# Altium PCB roach2.PcbDoc (part 25 of 39)
Units mil, origin at the board's own origin, x right, y up, seen from the top; angles counter-clockwise.
Board outline 12007.87 x 9606.3 mil, 16 copper layers (L1_TOP, L2_G, L3_S, L4_G, L5_S, L6_P, L7_G, L8_R, L9_R, L10_P, L11_P, L12_S, L13_P, L14_S, L15_G, L16_BOT), stack 81.651 mil thick; 1568 components, 1918 nets, 9251 pads, 6741 vias.
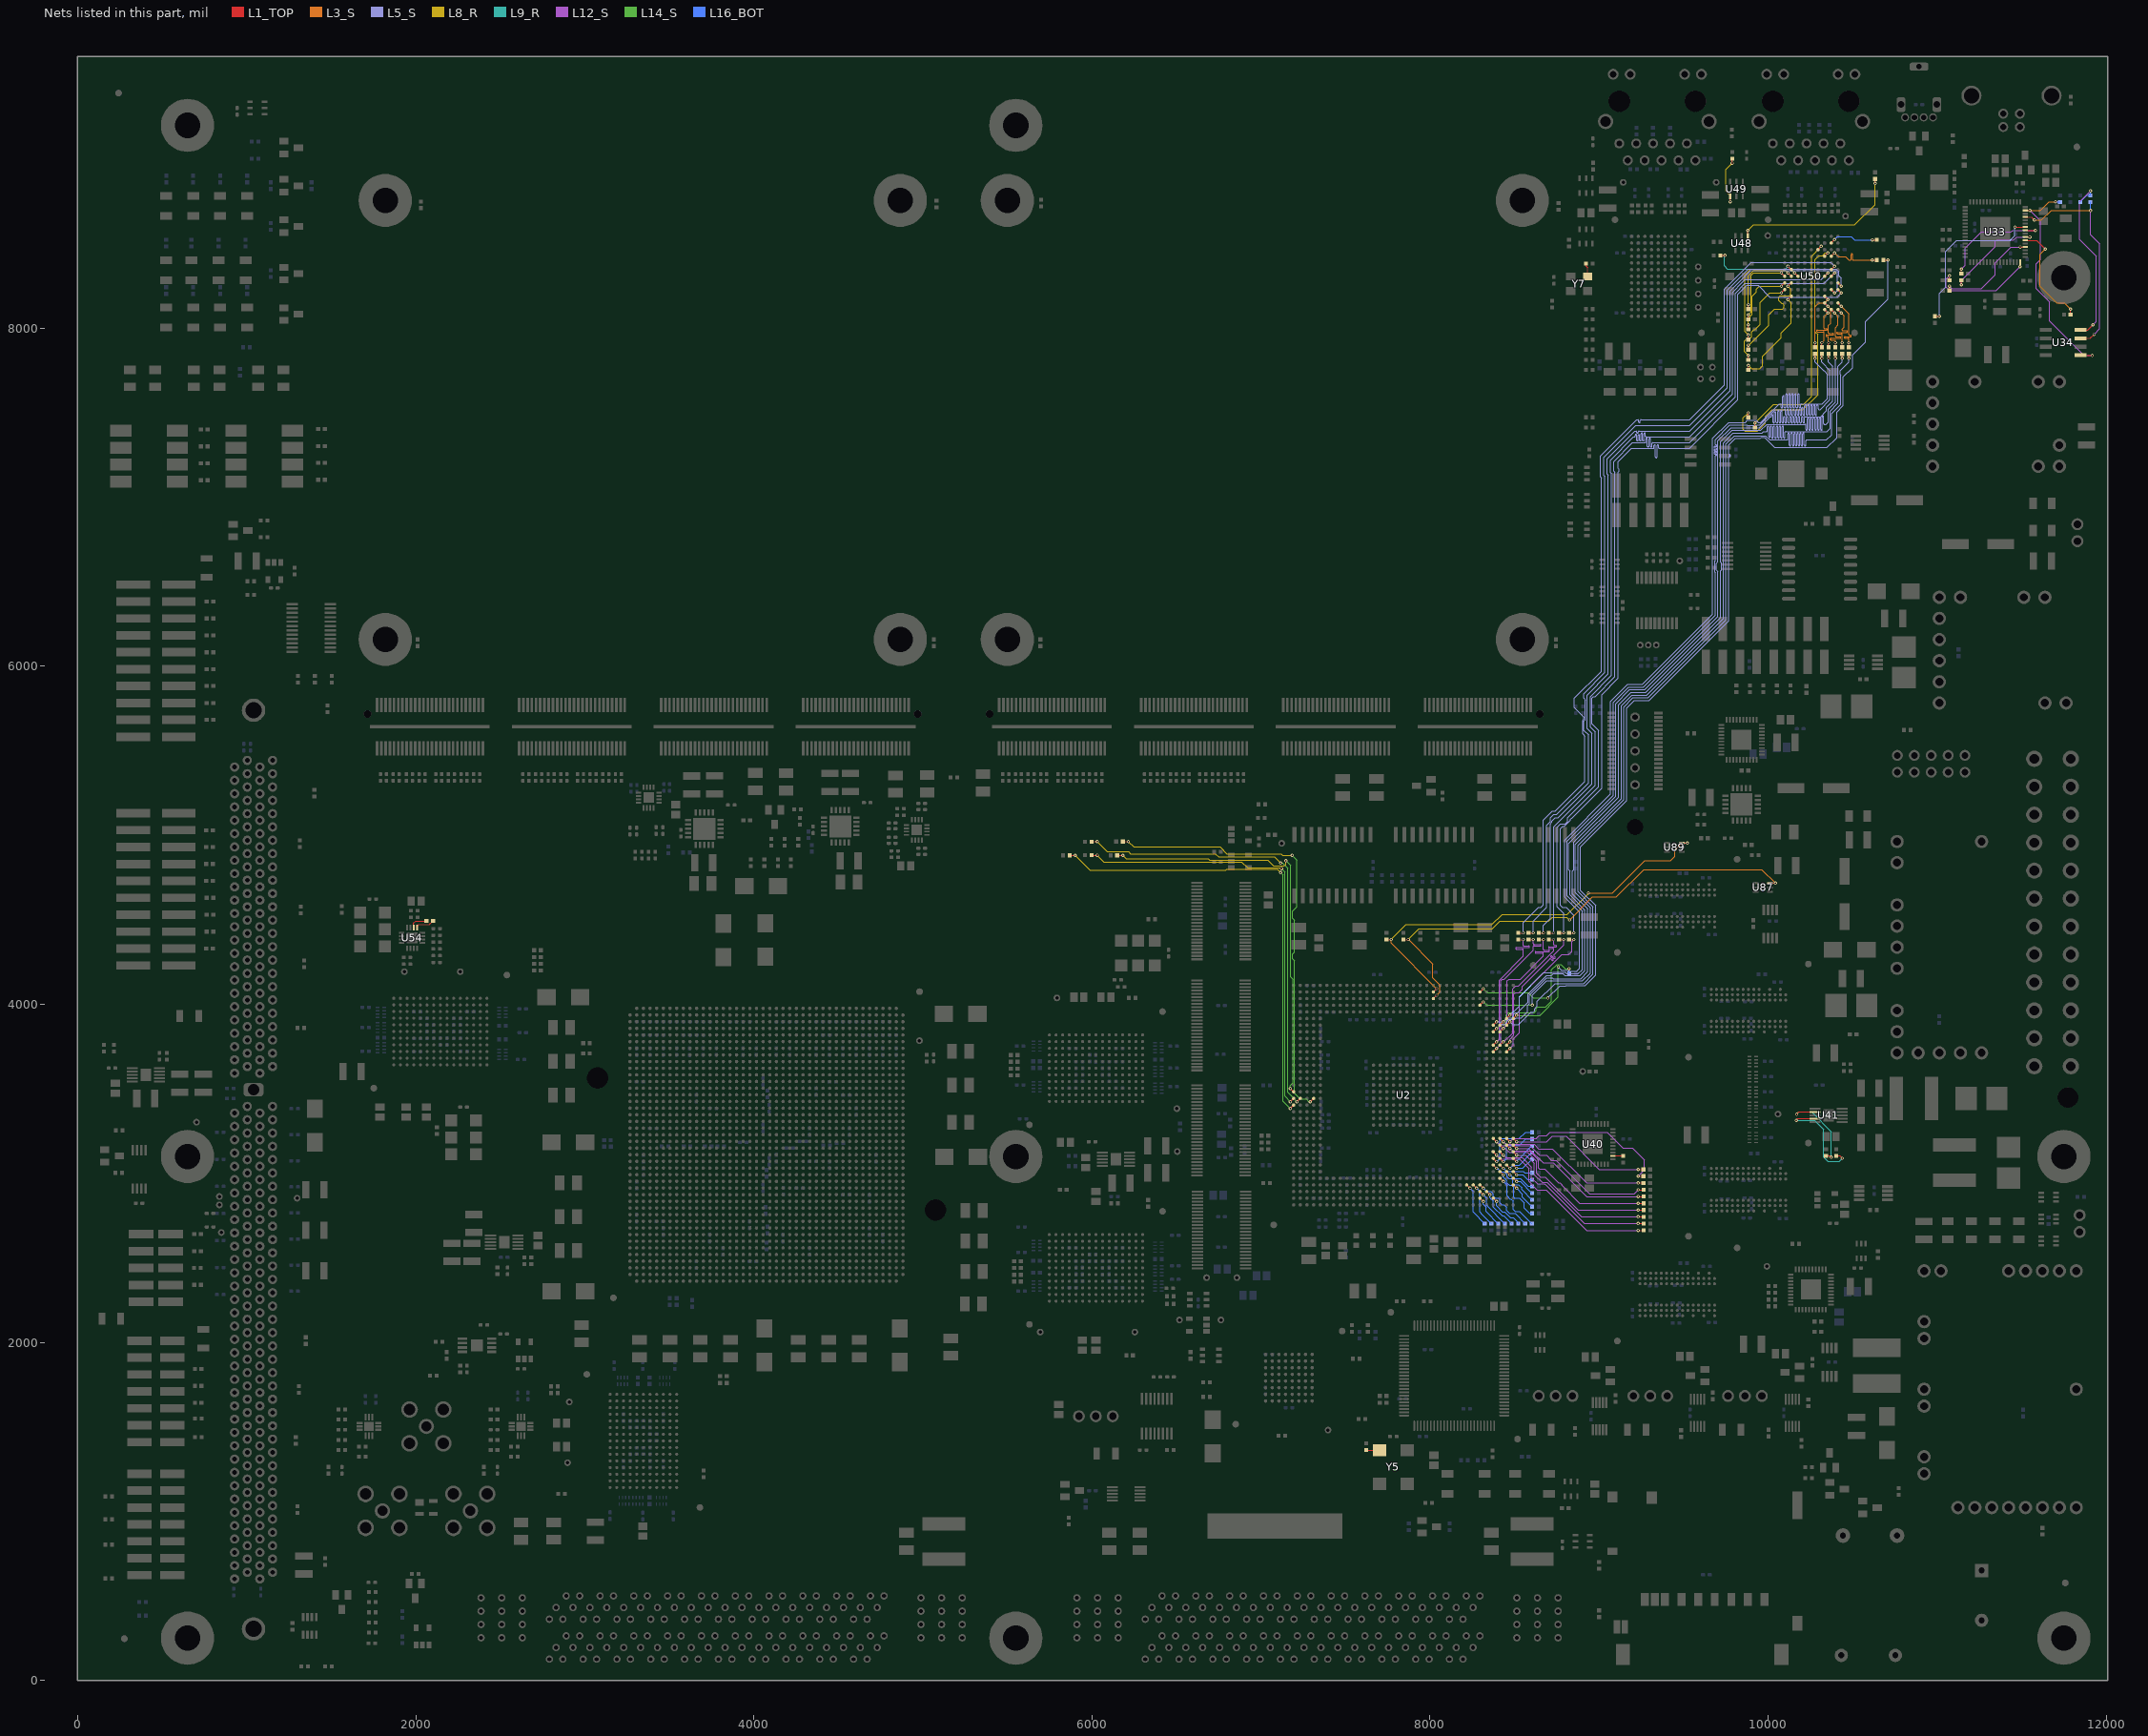
[diagram p39: the nets of this part, all layers, seen from the top]

## Via types
v1: diameter 19.4, hole 10, L1_TOP to L16_BOT, tented both sides, 3354 vias
v2: diameter 19.4, hole 10, L1_TOP to L16_BOT, 1954 vias
v3: diameter 19.4, hole 10, L1_TOP to L16_BOT, tented top, 429 vias
v4: diameter 18.6, hole 10, L1_TOP to L16_BOT, tented both sides, 311 vias
v5: diameter 59.06, hole 39.37, L1_TOP to L16_BOT, 217 vias
v6: diameter 19.4, hole 10.04, L1_TOP to L16_BOT, 125 vias
v7: diameter 19, hole 10, L1_TOP to L16_BOT, 93 vias
v8: diameter 19.4, hole 10, L1_TOP to L16_BOT, tented bottom, 80 vias
v9: diameter 25.98, hole 12.99, L1_TOP to L16_BOT, tented top, 55 vias
v10: diameter 20, hole 10, L1_TOP to L16_BOT, 53 vias
v11: diameter 59.06, hole 39.37, L1_TOP to L16_BOT, tented top, 44 vias
v12: diameter 20, hole 10, L1_TOP to L16_BOT, tented top, 16 vias
v13: diameter 19, hole 10, L1_TOP to L16_BOT, tented top, 5 vias
v14: diameter 25.98, hole 12.99, L1_TOP to L16_BOT, 4 vias
v15: diameter 50, hole 28, L1_TOP to L16_BOT, 1 vias

## Nets (pads, with @x,y where several pads share a name; then routed paths per layer and width w, separated by ;. In a path a pad name is that pad's centre, name@x,y a point inside that pad or via, vN(x,y) a via of type N, cw(c..) or ccw(c..) an arc to the next point about the centre after c; other vN are vias at no path point) (continued)
NetR133_1: R133.1 U33.63 U34.1 | length 1359
  L1_TOP w5: U33.63@11521.14,8696.94 v3(11548.64,8696.94) ; U34.1@11847.36,7840 11915.9,7840 v7(11917.32,7838.58)
  L3_S w5: v3(11548.64,8696.94) 11549.58,8696 11612,8696 11662.99,8746.99 v2(11700.41,8746.99)
  L12_S w5: v3(11548.64,8696.94) 11612,8633.58 11612,8406 11586,8380 11586,8234 11666,8154 11666,8041.36 11868.78,7838.58 v7(11917.32,7838.58)
  L16_BOT w5: v2(11700.41,8746.99) R133.1@11726.99,8746.99
NetR134_1: R134.1 R137.1 U34.4 | length 1057.3
  L1_TOP w5: U34.4@11847.36,7990 11891.58,7990 v7(11921.26,8019.68)
  L12_S w3.94: v2(11906.99,8812.26) 11842.52,8747.79 11842.52,8523.62 11940.94,8425.2 11940.94,8039.37 v7(11921.26,8019.68)
  L16_BOT w5: R134.1@11846.99,8746.31 11886.36,8785.68 R137.1@11906.99,8785.68 v2(11906.99,8812.26)
NetR135_1: R135.1 U33.48 | length 632.9
  L1_TOP w5: R135.1@11072.68,8282.99 v2(11072.68,8309.57) ; v3(11490.63,8363.35) U33.48@11490.63,8390.84
  L12_S w3.8: v2(11072.68,8309.57) 11052.99,8289.89 11052.99,8242.99 11072.99,8222.99 11350.28,8222.99 v3(11490.63,8363.35)
NetR136_1: R136.1 U33.52 | length 624.9
  L1_TOP w5: R136.1@11072.68,8222.99 v2(11072.68,8249.57) ; v3@11493.65,8480.41 U33.52@11521.14,8480.41
  L12_S w3.8: v2(11072.68,8249.57) 11087.26,8234.99 11262.99,8234.99 11342.99,8314.99 11342.99,8386.99 11436.41,8480.41 v3@11493.65,8480.41
  other v3: 11491.65,8480.41
NetR137_2: R137.2 U33.61 U34.3 | length 1327.6
  L1_TOP w5: U33.61@11521.14,8657.57 11558.43,8657.57 v2(11576,8640) ; U34.3@11847.36,7940 11904.57,7940 v7(11929.13,7964.57)
  L3_S w5: v2(11576,8640) 11618,8640 11675.55,8697.55 11906.45,8697.55 v2(11908,8696)
  L12_S w3.94: v2(11908,8696) 11908,8552.63 11960.63,8500 11960.63,7996.06 v7(11929.13,7964.57)
  L16_BOT w5: R137.2@11906.99,8746.31 11906.99,8697.01 v2(11908,8696)
NetR138_1: R138.1 U33.55 | length 610
  L1_TOP w5: v2(11143.31,8256.41) R138.1@11143.31,8282.99 ; U33.55@11521.14,8539.46 v3(11548.64,8539.46)
  L12_S w3.8: v2(11143.31,8256.41) 11143.31,8283.31 11342.99,8482.99 11342.99,8512.99 11350.99,8520.99 11450.99,8520.99 11469.46,8539.46 v3(11548.64,8539.46)
NetR139_1: R139.1 U33.57 | length 679.9
  L1_TOP w5: R139.1@11143.31,8322.99 v2(11143.31,8349.57) ; U33.57@11521.14,8578.83 v2(11581.6,8578.83)
  L12_S w3.8: v2(11143.31,8349.57) 11164.99,8371.26 11164.99,8472.99 11260.99,8568.99 11436.99,8568.99 11446.83,8578.83 v2(11581.6,8578.83)
NetR141_1: R141.1 U2.AB33 U89.3 | length 2498.5
  L1_TOP w5: R141.1@7742.99,4383.31 v2@7770.68,4383.31 ; U2.AB33@8020.16,4073.23 v1(8039.84,4092.91) ; U89.3@9489.59,4953.59 v3(9521.28,4953.59)
  L3_S w3.94: v2(7770.99,4383.62) 7770.99,4361.77 v1(8039.84,4092.91) ; v7(8937,4659) 9078,4659 9270,4851 9424,4851 9448,4875 9448,4911 9490.59,4953.59 v3(9521.28,4953.59)
  L8_R w3.94: v2(7770.99,4383.62) 7858.37,4471 8367,4471 8427,4531 8812,4531 8937,4656 v7(8937,4659)
NetR142_1: R142.1 U2.AB32 U87.3 | length 2895.6
  L1_TOP w5: R142.1@7842.99,4383.31 v2@7870.68,4383.31 ; U2.AB32@8020.16,4033.86 v1(8039.84,4053.54) ; U87.3@10012.31,4716.59 v3(10044,4716.59)
  L3_S w3.94: v2(7870.99,4383.62) 8017,4237.61 8017,4156 8059,4114 8059,4072.7 v1(8039.84,4053.54) ; v13(8825,4499) 8962,4636 9103,4636 9265,4798 9962.59,4798 v3(10044,4716.59)
  L8_R w3.94: v2(7870.99,4383.62) 7933.37,4446 8369,4446 8415,4492 8700,4492 8724,4516 8808,4516 v13(8825,4499)
NetR143_1: R143.1 U2.B17 | length 2656.7
  L1_TOP w5: R143.1@5998.68,4961.99 v2@6030.99,4961.99 ; v1(7213.07,3423.62) U2.B17@7232.76,3443.31
  L8_R w3.8: v2(6031.39,4962.39) 6090.8,4902.99 6216.99,4902.99 6228.99,4890.99 6730.99,4890.99 6748.99,4872.99 7078.99,4872.99 v2(7116.99,4834.99)
  L14_S w3.8: v2(7116.99,4834.99) 7128.99,4834.99 7158.1,4805.88 7158.1,3478.59 v1(7213.07,3423.62)
NetR144_1: R144.1 U2.A18 | length 2445.7
  L1_TOP w5: R144.1@6149.68,4880.99 v2@6181.99,4880.99 ; v1(7173.7,3502.36) U2.A18@7193.39,3482.68
  L8_R w3.8: v2(6182.39,4881.39) 6202.8,4860.99 6688.99,4860.99 6696.99,4852.99 7038.99,4852.99 7073.39,4818.59 7136.59,4818.59 7146.99,4828.99 v2(7146.99,4848.99)
  L14_S w3.8: v2(7146.99,4848.99) 7174.99,4820.99 7174.99,4162.19 7189.3,4147.88 7189.3,3535.27 7173.7,3519.67 v1(7173.7,3502.36)
NetR147_1: R147.1 U2.D17 | length 2621.1
  L1_TOP w5: R147.1@6182.68,4962.99 v2@6214.99,4962.99 ; v1(7291.81,3423.62) U2.D17@7311.5,3443.31
  L8_R w3.8: v2(6215.39,4963.39) 6247.8,4930.99 6758.99,4930.99 6798.99,4890.99 7118.99,4890.99 7128.99,4880.99 v2(7184.99,4880.99)
  L14_S w3.8: v2(7184.99,4880.99) 7213.59,4852.39 7213.59,4576.85 7187.56,4550.82 7187.56,4508.32 7197.94,4497.94 7197.94,4308.04 7187.56,4297.67 7187.56,4268.32 7197.47,4258.41 7197.47,3474.51 7232.76,3439.22 7268.04,3439.22 7283.64,3423.62 v1(7291.81,3423.62)
NetR148_1: R148.1 U2.A16 | length 2741.4
  L1_TOP w5: R148.1@5868.68,4880.99 v2@5900.99,4880.99 ; v1(7173.7,3384.25) U2.A16@7193.39,3403.94
  L8_R w3.8: v2(5901.39,4881.39) 5989.8,4792.99 6792.74,4792.99 6798.74,4798.99 7096.99,4798.99 v2(7116.99,4778.99)
  L14_S w3.8: v2(7116.99,4778.99) 7130.99,4764.99 7130.99,3426.96 v1(7173.7,3384.25)
NetR149_1: R149.1 U2.A17 | length 2587.8
  L1_TOP w5: R149.1@5998.68,4881.99 v2@6030.99,4881.99 ; v1(7173.7,3423.62) U2.A17@7193.39,3443.31
  L8_R w3.8: v2(6031.39,4882.39) 6070.8,4842.99 6884.99,4842.99 6920.99,4806.99 v2@7120.99,4806.99
  L14_S w3.8: v2@7116.99,4806.99 v2(7120.99,4802.99) 7140.99,4782.99 7140.99,3456.33 v1(7173.7,3423.62)
NetR151_1: R151.1 U2.AM5 | length 366.5
  L1_TOP w5: U2.AM5@8413.86,2970.87 v1(8433.54,2951.18)
  L16_BOT w5: v1(8433.54,2951.18) 8454.99,2929.73 8454.99,2867.45 8473.17,2849.27 8479.62,2849.27 8492.99,2835.9 8492.99,2784.99 8502.99,2774.99 8530.68,2774.99 R151.1@8602.99,2702.68
NetR152_1: R152.1 U2.AP4 | length 174.4
  L1_TOP w5: U2.AP4@8492.6,2931.5 v1(8512.28,2911.81)
  L16_BOT w5: v1(8512.28,2911.81) 8546.99,2877.1 8546.99,2859.31 R152.1@8603.31,2802.99
NetR153_1: R153.1 U2.AP5 | length 147.1
  L1_TOP w5: U2.AP5@8492.6,2970.87 v1(8512.28,2951.18)
  L16_BOT w5: v1(8512.28,2951.18) 8535.12,2951.18 R153.1@8603.31,2882.99
NetR154_1: R154.1 U2.AM6 | length 359.9
  L1_TOP w5: U2.AM6@8413.86,3010.24 v1(8433.54,2990.55)
  L16_BOT w5: v1(8433.54,2990.55) 8433.54,2978.44 8452.99,2958.99 8452.99,2944.99 8468.99,2928.99 8484.99,2928.99 8494.99,2918.99 8494.99,2858.99 8500.99,2852.99 8528.99,2852.99 8556.99,2824.99 8556.99,2794.99 8588.99,2762.99 R154.1@8603.31,2762.99
NetR155_1: R155.1 U2.AP6 | length 130.3
  L1_TOP w5: U2.AP6@8492.6,3010.24 v1(8512.28,2990.55)
  L16_BOT w5: v1(8512.28,2990.55) 8549.43,2990.55 8576.99,2962.99 R155.1@8603.31,2962.99
NetR156_1: R156.1 U2.AN6 | length 186.2
  L1_TOP w5: U2.AN6@8453.23,3010.24 v1(8472.91,2990.55)
  L16_BOT w5: v1(8472.91,2990.55) 8494.47,2968.99 8534.99,2968.99 8580.99,2922.99 R156.1@8603.31,2922.99
NetR157_1: R157.1 U2.AL7 | length 338.8
  L1_TOP w5: U2.AL7@8374.49,3049.61 v1(8394.17,3029.92)
  L16_BOT w5: v1(8394.17,3029.92) 8396.06,3029.92 8416.99,3008.99 8438.99,3008.99 8454.99,2992.99 8454.99,2980.99 8466.99,2968.99 8480.99,2968.99 8490.99,2958.99 8490.99,2940.99 8498.99,2932.99 8524.99,2932.99 8542.99,2914.99 8542.99,2903.31 R157.1@8603.31,2842.99
NetR158_1: R158.1 U2.AN7 | length 196.8
  L1_TOP w5: U2.AN7@8453.23,3049.61 v1(8472.91,3029.92)
  L16_BOT w5: v1(8472.91,3029.92) 8491.99,3048.99 8529.31,3048.99 R158.1@8603.31,3122.99
NetR159_1: R159.1 U2.AM7 | length 208.8
  L1_TOP w5: U2.AM7@8413.86,3049.61 v1(8433.54,3029.92)
  L16_BOT w5: v1(8433.54,3029.92) 8452.47,3010.99 8552.99,3010.99 8560.99,3002.99 R159.1@8603.31,3002.99
NetR160_1: R160.1 U2.AP7 | length 140.8
  L1_TOP w5: U2.AP7@8492.6,3049.61 v1(8512.28,3029.92)
  L16_BOT w5: v1(8512.28,3029.92) 8550.24,3029.92 R160.1@8603.31,3082.99
NetR161_1: R161.1 U2.AL2 | length 228
  L1_TOP w5: U2.AL2@8374.49,2852.76 v1(8394.17,2833.07)
  L16_BOT w5: v1(8394.17,2833.07) 8394.17,2807.81 8428.99,2772.99 8440.99,2772.99 8476.99,2736.99 8492.99,2736.99 8522.99,2706.99 R161.1@8522.99,2702.68
NetR162_1: R162.1 U2.AL8 | length 370.4
  L1_TOP w5: U2.AL8@8374.49,3088.98 v1(8394.17,3069.29)
  L16_BOT w5: v1(8394.17,3069.29) 8412.99,3088.11 8412.99,3192.99 8424.99,3204.99 8526.99,3204.99 8564.99,3242.99 R162.1@8603.31,3242.99
NetR163_1: R163.1 U2.AM8 | length 293
  L1_TOP w5: U2.AM8@8413.86,3088.98 v1(8433.54,3069.29)
  L16_BOT w5: v1(8433.54,3069.29) 8452.99,3088.74 8452.99,3156.99 8462.99,3166.99 8528.99,3166.99 8564.99,3202.99 R163.1@8603.31,3202.99
NetR164_1: R164.1 U2.AG4 | length 272.7
  L1_TOP w5: U2.AG4@8217.01,2931.5 v1(8236.69,2911.81)
  L16_BOT w5: v1(8236.69,2911.81) 8254.99,2893.51 8254.99,2770.68 R164.1@8322.99,2702.68
NetR165_1: R165.1 U2.AJ3 | length 260.8
  L1_TOP w5: U2.AJ3@8295.75,2892.13 v1(8315.43,2872.44)
  L16_BOT w5: v1(8315.43,2872.44) 8334.88,2852.99 8334.88,2810.79 R165.1@8442.99,2702.68 R165.1@8442.99,2712.99
NetR166_1: R166.1 U2.AK3 | length 256.8
  L1_TOP w5: U2.AK3@8335.12,2892.13 v1(8354.8,2872.44)
  L16_BOT w5: v1(8354.8,2872.44) 8354.8,2855.18 8360.71,2849.27 8361.51,2849.27 8374.99,2835.79 8374.99,2800.99 8426.99,2748.99 8436.68,2748.99 R166.1@8482.99,2702.68
NetR167_1: R167.1 U2.AP8 | length 159.2
  L1_TOP w5: U2.AP8@8492.6,3088.98 v1(8512.28,3069.29)
  L16_BOT w5: v1(8512.28,3069.29) 8512.28,3071.97 R167.1@8603.31,3162.99
NetR168_1: R168.1 U2.AJ4 | length 393.7
  L1_TOP w5: U2.AJ4@8295.75,2931.5 v1(8315.43,2911.81)
  L16_BOT w5: v1(8315.43,2911.81) 8334.25,2892.99 8358.99,2892.99 8374.99,2876.99 8374.99,2864.99 8384.99,2854.99 8408.99,2854.99 8414.99,2848.99 8414.99,2824.99 8424.99,2814.99 8436.99,2814.99 8452.99,2798.99 8452.99,2780.99 8470.99,2762.99 8502.68,2762.99 R168.1@8562.99,2702.68
NetR169_1: R169.1 U2.AH4 | length 276
  L1_TOP w5: U2.AH4@8256.38,2931.5 v1(8276.06,2911.81)
  L16_BOT w5: v1(8276.06,2911.81) 8294.99,2892.88 8294.99,2770.68 8306.84,2758.84 ; 8304.68,2760.99 8306.84,2758.84 ; R169.1@8362.99,2702.68 8306.84,2758.84
NetR170_1: R170.1 U2.AJ2 | length 194.5
  L1_TOP w5: U2.AJ2@8295.75,2852.76 v1(8315.43,2833.07)
  L16_BOT w5: v1(8315.43,2833.07) 8315.43,2816.55 8322.08,2809.9 8322.14,2809.9 8331.63,2800.41 8331.63,2774.04 R170.1@8402.99,2702.68
NetR171_1: R171.1 U40.22 | length 61.5
  L1_TOP w5: U40.22@9082.09,3104.09 9141.58,3104.09 R171.1@9142.99,3102.68
NetR172_1: R172.1 U2.AN10 | length 983.1
  L1_TOP w5: U2.AN10@8453.23,3167.72 v1(8472.91,3148.03) ; v2(9231.81,2822.99) R172.1@9263.31,2822.99
  L12_S w3.8: v1(8472.91,3148.03) 8488.88,3132.06 8588.83,3132.06 8642.99,3077.9 8642.99,3030.99 8648.99,3024.99 8678.99,3024.99 8761.39,2942.59 8770.08,2942.59 8779.22,2933.45 8779.22,2928.7 8884.93,2822.99 v2(9231.81,2822.99)
NetR176_1: R176.1 U2.AP10 | length 896.9
  L1_TOP w5: U2.AP10@8492.6,3167.72 v1(8512.28,3148.03) ; v2(9231.81,2862.99) R176.1@9263.31,2862.99
  L12_S w3.8: v1(8512.28,3148.03) 8583.89,3148.03 8670.93,3060.99 8728.99,3060.99 8926.99,2862.99 v2(9231.81,2862.99)
NetR181_1: R181.1 U2.AM11 | length 958.5
  L1_TOP w5: U2.AM11@8413.86,3207.09 v1(8433.54,3187.4) ; v2(9231.5,2942.99) R181.1@9262.99,2942.99
  L12_S w3.8: v1(8433.54,3187.4) 8449.51,3171.43 8616.55,3171.43 8642.99,3144.99 8724.99,3144.99 8926.99,2942.99 v2(9231.5,2942.99)
NetR182_1: R182.1 U2.AL11 | length 1034.7
  L1_TOP w5: U2.AL11@8374.49,3207.09 v1(8394.17,3187.4) ; v2(9231.81,2902.99) R182.1@9263.31,2902.99
  L12_S w3.8: v1(8394.17,3187.4) 8417.94,3163.63 8592.35,3163.63 8648.99,3106.99 8688.99,3106.99 8718.99,3076.99 8746.99,3076.99 8944.99,2878.99 9207.81,2878.99 v2(9231.81,2902.99)
NetR183_1: R183.1 U2.AM9 | length 1063.2
  L1_TOP w5: U2.AM9@8413.86,3128.35 v1(8433.54,3108.66) ; v2(9231.81,2702.99) R183.1@9263.31,2702.99
  L12_S w3.8: v1(8433.54,3108.66) 8449.14,3093.06 8544.92,3093.06 8600.99,3036.99 8600.99,2972.99 8635.08,2938.91 8677.14,2938.91 8686.28,2929.77 8686.28,2929.71 8912.99,2702.99 v2(9231.81,2702.99)
NetR184_1: R184.1 U2.AL9 | length 1126.1
  L1_TOP w5: U2.AL9@8374.49,3128.35 v1(8394.17,3108.66) ; v2(9231.81,2662.99) R184.1@9263.31,2662.99
  L12_S w3.8: v1(8394.17,3108.66) 8417.94,3084.89 8529.09,3084.89 8584.99,3028.99 8584.99,2952.99 8634.99,2902.99 8686.99,2902.99 8926.99,2662.99 v2(9231.81,2662.99)
NetR185_1: R185.1 U2.AP11 | length 872.8
  L1_TOP w5: U2.AP11@8492.6,3207.09 v1(8512.28,3187.4) ; v2(9231.5,3022.99) R185.1@9262.99,3022.99
  L12_S w3.8: v1(8512.28,3187.4) 8691.4,3187.4 8722.99,3218.99 8804.99,3218.99 9000.99,3022.99 v2(9231.5,3022.99)
NetR186_1: R186.1 U2.AN11 | length 1059.9
  L1_TOP w5: U2.AN11@8453.23,3207.09 v1(8472.91,3187.4) ; v2(9231.5,2982.99) R186.1@9262.99,2982.99
  L12_S w3.8: v1(8472.91,3187.4) 8492.51,3206.99 8628.99,3206.99 ; 8630.99,3206.99 8628.99,3206.99 ; v2(9231.5,2982.99) 9268.99,3020.49 9268.99,3078.99 9198.99,3148.99 9140.99,3148.99 9046.99,3242.99 8708.99,3242.99 8688.99,3222.99 8644.99,3222.99 8628.99,3206.99
NetR187_1: R187.1 U2.AM10 | length 1049.8
  L1_TOP w5: U2.AM10@8413.86,3167.72 v1(8433.54,3148.03) ; v2(9231.81,2782.99) R187.1@9263.31,2782.99
  L12_S w3.8: v1(8433.54,3148.03) 8445.95,3148.03 8469.72,3124.26 8577.72,3124.26 8630.99,3070.99 8630.99,3000.99 8653.08,2978.91 8681.08,2978.91 8876.99,2782.99 v2(9231.81,2782.99)
NetR188_1: R188.1 U2.AP9 | length 969
  L1_TOP w5: U2.AP9@8492.6,3128.35 v1(8512.28,3108.66) ; v2(9231.81,2742.99) R188.1@9263.31,2742.99
  L12_S w3.8: v1(8512.28,3108.66) 8567.32,3108.66 8616.99,3058.99 8616.99,2992.99 8663.28,2946.71 8693.28,2946.71 8896.99,2742.99 v2(9231.81,2742.99)
NetR189_1: R189.1 U41.7 | length 557
  L1_TOP w5: v2(10168.99,3348.99) 10182.68,3362.68 U41.7@10277.28,3362.68 ; R189.1@10342.99,3103.31 10364.68,3103.31 v2(10372.99,3094.99)
  L9_R w3.8: v2(10168.99,3348.99) 10182.68,3362.68 10257.31,3362.68 10372.99,3246.99 v2(10372.99,3094.99)
NetR191_1: R191.1 U41.9 | length 631.1
  L1_TOP w5: v2(10166.99,3312.99) 10177.31,3323.31 U41.9@10277.28,3323.31 ; R191.1@10402.99,3103.31 10424.68,3103.31 v2(10438.99,3088.99)
  L9_R w3.8: v2(10166.99,3312.99) 10274.99,3312.99 10328.99,3258.99 10328.99,3096.99 10354.99,3070.99 10420.99,3070.99 v2(10438.99,3088.99)
NetR200_1: R200.1 Y5.3 | length 82.2
  L1_TOP w5: R200.1@7622.99,1363.31 7623.31,1362.99 7650.99,1362.99 ; 7646.24,1362.99 7650.99,1362.99 ; Y5.3@7700.31,1362.99 7650.99,1362.99
NetR201_1: R201.1 U2.AL24 | length 881
  L1_TOP w5: U2.AL24@8374.49,3718.9 v1(8394.17,3738.58) ; R201.1@8582.99,4383.31 8610.68,4383.31 v2(8610.99,4383.62)
  L12_S w3.8: v1(8394.17,3738.58) 8417.94,3762.35 8417.94,4138.75 8427.08,4147.88 8437.88,4147.88 8610.99,4320.99 8610.99,4341.39 cw(c8615.39,4341.39) 8615.39,4345.79 8652.32,4345.79 ccw(c8652.32,4350.19) 8656.72,4350.19 ccw(c8652.32,4350.19) 8652.32,4354.59 8615.39,4354.59 cw(c8615.39,4358.99) 8610.99,4358.99 v2(8610.99,4383.62)
NetR201_2: R201.2 U50.F1 | length 5376.2
  L1_TOP w5: R201.2@8582.99,4422.68 8610.68,4422.68 v2(8610.99,4422.99) ; U50.F1@10413.39,8267.72 v1(10433.07,8248.03)
  L5_S w3.8: v2(8610.99,4422.99) 8610.99,4492.62 8691.39,4573.02 8691.39,5059.76 8713.59,5081.96 8713.59,5104.09 8733.33,5123.82 8749.45,5123.82 8936.79,5311.17 8936.79,5595.01 8911.29,5620.51 8911.29,5675.56 8918.95,5683.22 8918.95,5801.95 8909.29,5811.61 8909.29,5837.3 9034.79,5962.8 9034.79,7123.13 9027.99,7129.93 9027.99,7236 9216.19,7424.19 9534.99,7424.19 9758.79,7647.99 9758.79,8226.17 9883.16,8350.54 10403.02,8350.54 10417.47,8336.09 10417.47,8311.17 10433.07,8295.57 v1(10433.07,8248.03)
NetR202_1: R202.1 U2.AN25 | length 881
  L1_TOP w5: U2.AN25@8453.23,3758.27 v1(8472.91,3777.95) ; R202.1@8762.99,4383.31 8790.68,4383.31 v2(8790.99,4383.62)
  L12_S w3.8: v1(8472.91,3777.95) 8472.91,3792.91 8496.68,3816.68 8496.68,4060.01 8505.82,4069.14 8525.14,4069.14 8544.99,4088.99 8544.99,4104.99 8707.77,4267.77 cw(c8710.88,4264.66) 8714,4267.77 8721.25,4260.52 ccw(c8724.36,4263.63) 8727.47,4260.52 ccw(c8724.36,4263.63) 8727.47,4266.74 8717.11,4277.11 8714.84,4279.37 cw(c8717.96,4282.48) 8714.84,4285.59 cw(c8717.96,4282.48) 8721.07,4285.59 8733.7,4272.96 ccw(c8736.81,4276.07) 8739.92,4272.96 ccw(c8736.81,4276.07) 8739.92,4279.19 8732.66,4286.44 cw(c8735.77,4289.55) 8732.66,4292.66 8790.99,4350.99 v2(8790.99,4383.62)
NetR202_2: R202.2 U50.G2 | length 5376.2
  L1_TOP w5: R202.2@8762.99,4422.68 8790.68,4422.68 v2(8790.99,4422.99) ; U50.G2@10374.02,8307.09 v1(10393.7,8326.77)
  L5_S w3.8: v2(8790.99,4422.99) 8790.99,4536.62 8750.79,4576.82 8750.79,5046.79 8770.99,5066.99 8798.62,5066.99 8813.59,5081.96 8813.59,5103.96 8996.19,5286.56 8996.19,5619.61 8956.69,5659.11 8956.69,5811.58 8965.83,5820.72 8976.72,5820.72 9094.19,5938.19 9094.19,7147.73 9087.39,7154.53 9087.39,7211.39 9198.79,7322.79 9272.99,7322.79 ccw(c9272.99,7327.19) 9277.39,7327.19 9277.39,7344.22 cw(c9281.79,7344.22) 9281.79,7348.62 cw(c9281.79,7344.22) 9286.19,7344.22 9286.19,7301.36 ccw(c9290.59,7301.36) 9290.59,7296.96 ccw(c9290.59,7301.36) 9294.99,7301.36 9294.99,7344.22 cw(c9299.39,7344.22) 9299.39,7348.62 cw(c9299.39,7344.22) 9303.79,7344.22 9303.79,7301.36 ccw(c9308.19,7301.36) 9308.19,7296.96 ccw(c9308.19,7301.36) 9312.59,7301.36 9312.59,7318.39 cw(c9316.99,7318.39) 9316.99,7322.79 9534.99,7322.79 9806.19,7593.99 9806.19,8206.54 9863.82,8264.16 10331.09,8264.16 v1(10393.7,8326.77)
NetR203_1: R203.1 U2.AM25 | length 881
  L1_TOP w5: U2.AM25@8413.86,3758.27 v1(8433.54,3777.95) ; R203.1@8702.99,4383.31 8730.68,4383.31 v2(8730.99,4383.62)
  L12_S w3.8: v1(8433.54,3777.95) 8435.95,3777.95 8488.51,3830.51 8488.51,4091.21 8505.82,4108.51 8522.51,4108.51 8730.99,4316.99 8730.99,4326.99 ccw(c8726.99,4326.99) 8726.99,4330.99 8705.42,4330.99 cw(c8705.42,4335.39) 8701.02,4335.39 cw(c8705.42,4335.39) 8705.42,4339.79 8744.71,4339.79 ccw(c8744.71,4344.19) 8749.11,4344.19 ccw(c8744.71,4344.19) 8744.71,4348.59 8735.39,4348.59 cw(c8735.39,4352.99) 8730.99,4352.99 v2(8730.99,4383.62)
NetR203_2: R203.2 U50.G3 | length 5376.2
  L1_TOP w5: R203.2@8702.99,4422.68 8730.68,4422.68 v2(8730.99,4422.99) ; U50.G3@10334.65,8307.09 v1(10354.33,8326.77)
  L5_S w3.8: v2(8730.99,4422.99) 8730.99,5049.36 8976.39,5294.76 8976.39,5611.41 8948.89,5638.91 8948.89,5820.89 9074.39,5946.39 9074.39,7139.53 9067.59,7146.33 9067.59,7219.59 9204.59,7356.59 9208.99,7356.59 ccw(c9208.99,7360.99) 9213.39,7360.99 9213.39,7366.79 cw(c9217.79,7366.79) 9217.79,7371.19 cw(c9217.79,7366.79) 9222.19,7366.79 9222.19,7338.04 ccw(c9226.59,7338.04) 9226.59,7333.64 ccw(c9226.59,7338.04) 9230.99,7338.04 9230.99,7365.03 cw(c9235.39,7365.03) 9235.39,7369.43 cw(c9235.39,7365.03) 9239.79,7365.03 9239.79,7338.04 ccw(c9244.19,7338.04) 9244.19,7333.64 ccw(c9244.19,7338.04) 9248.59,7338.04 9248.59,7375.14 cw(c9252.99,7375.14) 9252.99,7379.54 cw(c9252.99,7375.14) 9257.39,7375.14 9257.39,7338.04 ccw(c9261.79,7338.04) 9261.79,7333.64 ccw(c9261.79,7338.04) 9266.19,7338.04 9266.19,7375.14 cw(c9270.59,7375.14) 9270.59,7379.54 cw(c9270.59,7375.14) 9274.99,7375.14 9274.99,7360.99 ccw(c9279.39,7360.99) 9279.39,7356.59 9534.99,7356.59 9790.39,7611.99 9790.39,8213.08 9849.65,8272.34 ; 9852.65,8275.34 9849.65,8272.34 ; v1(10354.33,8326.77) 10314.55,8286.99 9864.3,8286.99 9849.65,8272.34
NetR204_1: R204.1 U2.AL25 | length 881
  L1_TOP w5: U2.AL25@8374.49,3758.27 v1(8394.17,3777.95) ; R204.1@8522.99,4383.31 8550.68,4383.31 v2(8550.99,4383.62)
  L12_S w3.8: v1(8394.17,3777.95) 8409.77,3793.55 8409.77,4143.77 8550.99,4284.99 8550.99,4322.59 ccw(c8546.59,4322.59) 8546.59,4326.99 8510.05,4326.99 cw(c8510.05,4331.39) 8505.65,4331.39 cw(c8510.05,4331.39) 8510.05,4335.79 8584.14,4335.79 ccw(c8584.14,4340.19) 8588.54,4340.19 ccw(c8584.14,4340.19) 8584.14,4344.59 8555.39,4344.59 cw(c8555.39,4348.99) 8550.99,4348.99 v2(8550.99,4383.62)